# Allegro board C000PD020-3399PRO-DMEB-A-A01.brd (continued)
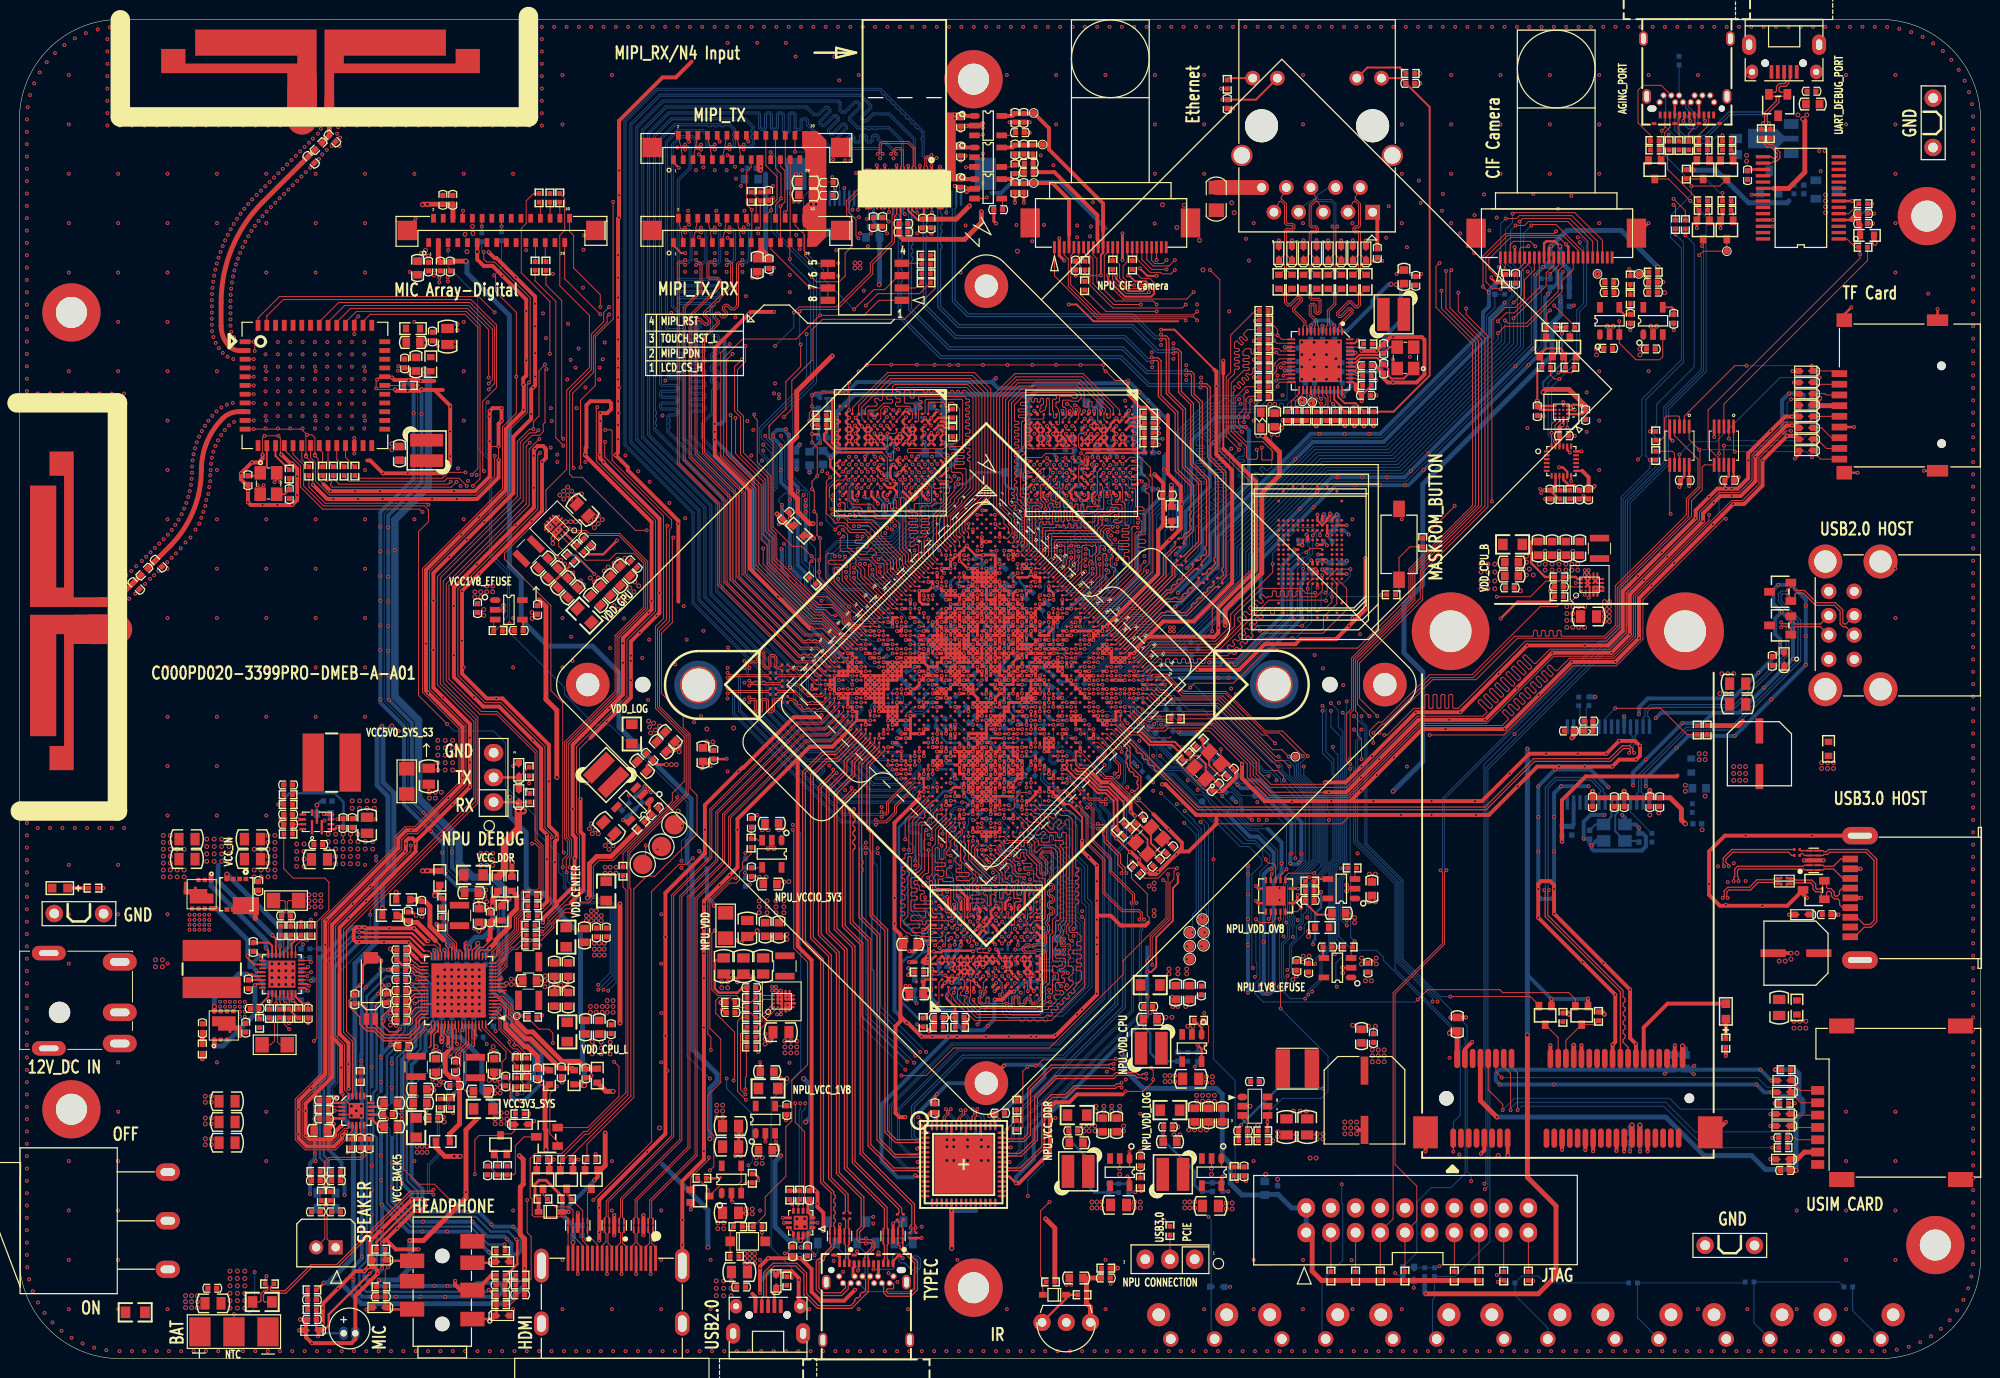
[diagram p0: board, top side]
## Routing (per net, layer and track width the routed paths; a pad name or vN(x,y) marks a point on that pad's centre or on a via; arc(x,y) is an arc through that point) (continued)
N81282514: length 3
  TOP w0.203: U2003.23 26.01,42.48 25.69,42.8 C2026.1
N81282520: length 11.3
  TOP w0.203: U2003.24 25.61,41.99 v1(25.37,42.23)
  TOP w0.508: Q2002.1 v2(19.72,49.85)
  BOTTOM w0.508: v1(25.37,42.23) 25.37,42.99 19.72,48.64 v2(19.72,49.85)
N81282560: length 4.2
  TOP w0.203: R2028.1 28.91,43.58 v1(28.47,43.14) 28.01,42.67 U2003.18
  BOTTOM w0.152: v1(28.47,43.14) 28.47,44.26 28.23,44.5 R2025.1
N81282572: length 1.5
  TOP w0.203: v1(29.69,37.86) 29.39,38.16 U2003.9
  BOTTOM w0.254: v1(29.69,37.86) 29.63,37.8 C2035.1
N81282576: length 3
  TOP w0.203: U2003.8 28.41,37.26 29.13,36.54 v1(29.69,36.54) R2043.1 C2036.1
  BOTTOM w0.203: R2043.1 v1(29.69,36.54)
N81282584: length 1.9
  TOP w0.203: v1(29.79,38.36) 29.6,38.56 U2003.10
  BOTTOM w0.102: v1(29.79,38.36) 29.55,38.36 R2031.1
N81282606: length 1.5
  TOP w0.203: C2022.2 23.55,38.96 U2003.30
N81282608: length 1.5
  TOP w0.203: C2026.2 24.3,41.9 25.01,41.2 U2003.25
N81282710: length 2.5
  TOP w0.102: v1(30,40.8) 29.84,40.96 U2003.16
  BOTTOM w0.102: C2048.1 R2045.1 30,41.17 v1(30,40.8)
N81282714: length 1
  BOTTOM w0.102: R2045.2 C2047.1
N81301243: length 1
  TOP w0.102: U2003.11 29.91,38.96 v1(30,38.87)
N81405613: length 1.2
  TOP w0.102: C2256.1 78.94,25.98 U2207.4
N81406757: length 1.1
  TOP w0.102: U2208.4 76.38,50.5 C2248.1
N81410237: length 3.4
  TOP w0.254: U2206.D4 U2206.D3 U2206.E3 ; U2206.D4 78.84,37.83 ; U2206.D4 U2206.E4 ; U2206.E4 79.24,37.82 ; U2206.E4 79.67,37.36 ; U2206.E4 U2206.E3 ; U2206.E3 79.7,36.96
N81410281: length 2.2
  TOP w0.102: U2206.A3 76.59,36.96 R2255.2
N81410283: length 2.8
  TOP w0.102: R2253.2 76.43,34.77 76.43,34.95 U2206.A1
N81410285: length 4.1
  TOP w0.102: U2206.B1 76.73,34.86 76.73,34.4 76.23,33.89 76.23,33.39 75.92,33.08 R2254.2
N81411259: length 8.9
  TOP w0.102: v1(58.34,59.19) 59.63,60.48 L2208.2
  S1 w0.102: v1(62.71,57.97) 62.71,57.98 61.49,59.19 v1(58.34,59.19)
  BOTTOM w0.102: v1(62.71,57.97) R2270.1 C2271.1
N81411272: length 3.5
  TOP w0.305: U2209.5 62.19,55.35 v1(62.1,55.43)
  BOTTOM w0.305: 64.07,57.23 R2270.2 C2271.2 62.46,55.79 v1(62.1,55.43)
N81415088: length 2.6
  TOP w0.305: R2272.2 C2277.1 64.82,56.26 U2209.1
N81416715: length 10.5
  TOP w0.102: R9720.1 172.81,119.18 169.6,122.39 169.6,123.81 169.29,124.12 169.29,126.15 169.83,126.69 J9702.A10
N81416724: length 12.8
  TOP w0.102: v1(168.99,126.35) 169.33,126.69 J9702.A11 ; v1(175.24,119.95) R9721.1
  BOTTOM w0.102: v1(168.99,126.35) 168.99,124.12 171.73,121.37 173.56,121.37 174.98,119.95 v1(175.24,119.95)
N81417035: length 10.8
  TOP w0.102: R9719.1 v1(175.24,125.88)
  BOTTOM w0.102: v1(175.24,125.88) 174.72,125.88 173.86,125.03 171.12,125.03 169.39,126.76 169.39,129.77 J9702.B2
N81417038: length 9.8
  TOP w0.102: J9702.B3 168.94,131.02 167.06,131.02 166.55,130.52 166.55,127.16 167.83,125.88 R9718.1
N81417239: length 5.7
  TOP w0.102: J9702.A3 173.33,127.49 v1(173.46,127.37) ; R9723.1 169.75,125.89 v1(169.7,125.94)
  S1 w0.102: v1(169.7,125.94) 170.51,126.76 172.85,126.76 v1(173.46,127.37)
N81417242: length 3.1
  TOP w0.102: J9702.A2 173.83,126.93 172.81,125.9 R9724.1
N81434876: length 4
  TOP w0.102: R9729.2 J9710.5
N81434950: length 4
  TOP w0.102: R9728.2 J9710.3
N81434997: length 4
  TOP w0.102: R9732.2 J9710.13
N81435084: length 4
  TOP w0.102: R9733.2 J9710.15
N81435110: length 4
  TOP w0.102: R9734.2 J9710.17
N81435142: length 4
  TOP w0.102: R9735.2 J9710.19
N81648017: length 7.8
  TOP w0.102: R2630.2 70.98,17.36 Q2600.3 72.1,17.84 73.89,17.84 74.26,18.22 U2606.4
N81930416: length 14.1
  TOP w0.102: U1000.K40 114.33,64.17 115.24,64.17
  TOP w0.203: 115.24,64.17 116.26,63.16 118.59,63.16 119.7,62.05 R1101.1 120.41,61.62 120.83,62.04 121.23,62.04 122.07,61.2 Y1100.1 122.84,59.64 C1102.1
N81930422: length 10.1
  TOP w0.102: U1000.J39 113.28,65.67 113.59,65.36 113.59,65.21 114.33,64.48 115.44,64.48
  TOP w0.203: R1102.2 R1101.2 120.1,62.25 118.9,63.46 116.46,63.46 115.44,64.48
N81930426: length 5.2
  TOP w0.203: R1102.1 121.76,63.07 Y1100.3 122.43,61.05 123.48,59.99 C1103.2
N81931618: length 208.8
  TOP w0.102: U1000.L36 v1(111.44,66.59) ; v1(56.01,52.08) 55.91,52.18 55.91,67.52 54.69,68.74 54.69,77.48 49.91,82.26 49.91,82.87 54.18,87.13 54.18,89.37 56.31,91.5 56.31,99.63 58.65,101.97 58.65,107.35 55.6,110.4 55.6,115.58 56.11,116.09 56.11,119.38 R1225.1
  S1 w0.102: v1(126.92,40.19) 122.05,40.19 120.93,39.08 115.04,39.08 108.03,32.07 92.18,32.07 91.06,30.95 82.63,30.95 80.9,29.22 71.45,29.22 v1(71.04,28.81) ; v1(68.12,50.51) 68.1,50.51 67.54,49.95 63.83,49.95 62.92,49.03 58.85,49.03 56.01,51.88 v1(56.01,52.08)
  BOTTOM w0.102: v1(126.92,40.19) 126.82,40.3 126.82,49.85 127.84,50.86 127.84,51.37 126.52,52.69 125.6,52.69 118.44,59.85 117.69,59.85 115.88,61.67 115.88,62.11 114.02,63.97 114.02,64.27 112.93,65.36 112.93,65.87 112.21,66.59 v1(111.44,66.59) ; v1(71.04,28.81) 68.71,31.15 68.71,49.9 68.12,50.49 v1(68.12,50.51)
N81931666: length 5.1
  TOP w0.102: v1(115.57,66.79) 115.57,66.81 115.32,67.05 U1000.F40
  BOTTOM w0.089: 115.8,66.56 v1(115.57,66.79)
  BOTTOM w0.102: 115.8,66.56 115.85,66.51 116.15,66.51 117.12,65.54 117.12,64.6 C1101.1 117.67,63.57 R1100.1
N81933318: length 19.7
  TOP w0.102: R1122.1 114.62,50.98 v1(114.43,51.17)
  TOP w0.203: U1000.AC32 v1(103.17,62.92)
  S1 w0.089: v1(103.17,62.92) U1000.AC32 104.22,62.33 104.59,62.33 104.59,62.33 104.83,62.33 106.88,60.28 108.16,60.28 108.84,59.6
  S1 w0.102: 108.84,59.6 109.14,59.29 109.14,55.13 113.11,51.17 v1(114.43,51.17)
N81965096: length 0.5
  TOP w0.305: U1000.AH18 v1(94.44,67.05)
N81965098: length 1
  TOP w0.305: U1000.AD19 v1(96.73,68.43)
  BOTTOM w0.089: R1402.2 96.45,68.15 v1(96.73,68.43)
N81965158: length 5.5
  TOP w0.102: v1(113.03,62.8) 111.99,63.84 U1000.N40
  BOTTOM w0.102: v1(113.03,62.8) 113.87,62.8 115.54,61.12 115.54,60.44 R1400.1
N81966162: length 3.8
  TOP w0.102: v1(113.41,62.44) 113.41,62.93 113.13,63.21 112.98,63.21 111.89,64.3 U1000.N39
  BOTTOM w0.102: R1401.1 113.91,61.95 v1(113.41,62.44)
N81966552: length 1.1
  TOP w0.305: U1000.AE21 v1(97.65,66.59)
  BOTTOM w0.254: R1403.1 97.37,66.88 v1(97.65,66.59)
N81967141: length 1
  TOP w0.305: U1000.AD34 v1(104.09,61.08)
  BOTTOM w0.254: v1(104.09,61.08) 103.85,60.84 R1418.1
N81967495: length 2.2
  TOP w0.305: U1000.AC35 v1(105.01,61.08)
  BOTTOM w0.102: TP1407.1 106.2,60.41 105.53,61.08 v1(105.01,61.08)
N81967515: length 1.2
  TOP w0.305: U1000.AC34 v1(104.55,61.54)
  BOTTOM w0.089: R1410.1 104.73,61.72 v1(104.55,61.54)
N81969657: length 1.1
  TOP w0.305: U1000.AB12 v1(94.44,72.57)
  BOTTOM w0.254: R1708.1 94.2,72.33 v1(94.44,72.57) 94.44,72.56 C1700.1
N81970360: length 1.8
  TOP w0.305: U1000.AF14 v1(93.52,69.81)
  BOTTOM w0.102: R1703.1 92.77,69.06 v1(93.52,69.81)
N81970900: length 1.6
  TOP w0.305: U1000.AB14 v1(95.36,71.65)
  BOTTOM w0.254: v1(95.36,71.65) 95.11,71.41 R1709.1 95.33,71.38 C1701.1
N81971328: length 1.5
  TOP w0.305: U1000.AF11 v1(92.14,71.19)
  BOTTOM w0.203: R1704.1 91.63,70.69 v1(92.14,71.19)
N81971617: length 1.8
  TOP w0.305: U1000.AC10 v1(93.52,72.57)
  BOTTOM w0.254: R1710.1 93.29,71.77 93.29,72.38 C1702.1 93.44,72.49 v1(93.52,72.57)
N81973381: length 7.6
  TOP w0.102: U1000.AH1 86.6,75.35 85.88,75.35 85.27,75.96 85.27,76.68 82.25,79.7 R1504.1
N82061596: length 0.7
  TOP w0.203: U1000.AE26 v1(100.41,64.76)
  BOTTOM w0.203: v1(100.41,64.76) 100.3,64.65 TP9712.1
N82061606: length 1.2
  TOP w0.305: U1000.AU17 v1(89.84,63.38)
  BOTTOM w0.203: TP9713.1 90.06,63.16 v1(89.84,63.38)
N82075141: length 1.2
  TOP w0.102: C4823.1 101.16,119.28 U4801.4
N82075145: length 1.5
  TOP w0.102: U4800.4 102.22,125.87 C4820.1
N82103313: length 1.5
  TOP w0.102: U4817.4 102.22,122.62 C4846.1

## Copper pours and planes (outline as drawn; the poured copper is in the pictures)
AVDD0V9_DDR1PLL on POWER2: 102.44,79.21 102.44,78.8 102.54,78.7 103.05,78.7 104.47,80.12 104.47,80.33 104.37,80.43 103.66,80.43
GND on TOP (solid shape): 9.09,73.54 5.59,73.54 5.59,60.54 3.09,60.54 3.09,63.04 4.59,63.04 4.59,74.54 3.79,74.54 3.79,64.04 1.09,64.04 1.09,76.54 9.09,76.54
GND on TOP (solid shape): 30.58,128.77 27.58,128.77 27.58,132.27 14.58,132.27 14.58,134.77 17.08,134.77 17.08,133.27 28.58,133.27 28.58,134.07 18.08,134.07 18.08,136.77 30.58,136.77
GND on BOTTOM: 10.3,0.51 3.38,3.38 0.51,10.3 0.51,127.5 3.38,134.43 10.3,137.29 191.5,137.29 198.42,134.43 201.29,127.5 201.29,10.3 198.42,3.38 191.5,0.51 ; 40 cut-outs
GND on GND1, GND2, GND3: 10.3,0.51 3.38,3.38 0.51,10.3 0.51,127.5 3.38,134.43 10.3,137.29 191.5,137.29 198.42,134.43 201.29,127.5 201.29,10.3 198.42,3.38 191.5,0.51
GND on POWER1: 10.3,0.51 3.38,3.38 0.51,10.3 0.51,127.5 3.38,134.43 10.3,137.29 191.5,137.29 198.42,134.43 201.29,127.5 201.29,10.3 198.42,3.38 191.5,0.51 ; 12 cut-outs
GND on POWER2: 10.3,0.53 3.39,3.39 0.53,10.3 0.53,127.5 3.39,134.41 10.3,137.27 191.5,137.27 198.41,134.41 201.27,127.5 201.27,10.3 198.41,3.39 191.5,0.53 ; 9 cut-outs
VBUS_TYPEC0 on TOP: 72.67,17.54 72.67,15.91 72.87,15.71 72.87,13.17 72.36,12.66 71.15,12.66 70.84,12.96 70.84,15.61 71.96,16.72 71.96,17.44 72.16,17.64 72.57,17.64
VBUS_TYPEC0 on TOP: 75.82,6.26 75.92,6.36 75.92,11.03 75.72,11.24 73.89,11.24 73.79,11.14 73.79,10.22 74.4,9.61 74.4,6.77 74.9,6.26
VBUS_TYPEC0 on POWER1: 88.62,7.99 80.09,7.99 78.77,9.31 74.4,9.31 71.45,12.25 71.45,14.49 71.76,14.79 72.97,14.79 75.01,12.76 80.7,12.76 81.61,13.68 81.61,14.29 81.71,14.39 82.73,14.39 84.35,12.76 86.79,12.76 88.82,10.73 88.82,8.19
VBUS_TYPEC_TEST on BOTTOM: 183.31,124.42 183.31,122.69 182.8,122.18 180.87,122.18 180.37,121.68 179.76,121.68 179.71,121.73 176.15,121.73 175.49,122.39 175.49,124.01 175.9,124.42 181.18,124.42 181.38,124.62 183.11,124.62
VBUS_TYPEC_TEST on POWER1: 178.33,124.62 178.33,123.1 178.03,122.79 173.76,122.79 169.7,126.86 169.7,129.5 169.9,129.7 170.51,129.7 170.71,129.5 170.71,129.09 170.92,128.89 172.34,128.89 172.54,129.09 172.54,129.5 172.75,129.7 173.15,129.7 173.56,129.3 173.56,128.28 177.01,124.83 178.13,124.83
VCC1V5_DVP_S0 on S1: 87.3,38.67 87.3,36.84 87.4,36.74 106.5,36.74 113.21,43.44 118.39,43.44 119.81,44.87 122.96,44.87 123.47,45.38 123.47,46.9 123.27,47.1 119.41,47.1 117.27,44.97 113.21,44.97 107.21,38.97 87.6,38.97
VCC1V8_DDR on BOTTOM: 95.12,96.99 95.43,96.99 95.73,96.68 95.73,93.84 95.63,93.74 95.22,93.74 94.92,94.04 94.92,96.78
VCC1V8_DVP on TOP: 167.77,107.55 167.97,107.76 167.97,112.02 167.87,112.13 166.34,112.13 166.24,112.02 166.24,107.66 166.34,107.55
VCC1V8_EFUSE on TOP: 53.57,78.8 51.33,78.8 51.13,78.6 51.13,77.79 51.74,77.18 53.67,77.18 53.77,77.28 53.77,78.6
VCC1V8_EFUSE on GND2: 103.35,69.96 103.56,70.17 103.76,70.17 104.06,69.86 104.06,68.54 104.17,68.44 104.17,66.41 101.63,63.87 97.97,63.87 97.76,64.07 97.76,65.19 97.97,65.39 101.22,65.39 103.35,67.52
VCC1V8_EFUSE on S1: 93.19,64.07 93.19,61.94 90.14,58.89 89.54,58.89 89.33,59.09 89.33,61.02 90.75,62.44 91.06,62.44 92.68,64.07
VCC2V8_DVP on TOP: 161.87,107.76 162.08,107.55 163.2,107.55 163.5,107.86 163.5,111.92 163.4,112.02 162.69,112.02 162.48,112.23 162.28,112.23 161.87,111.82
VCC2V8_DVP on TOP: 88.57,119.39 88.57,119.24 88.52,119.19 88.52,118.22 88.01,117.71 87.6,117.71 87.6,117.21 87.66,117.16 88.98,117.16 89.03,117.21 89.03,117.46 89.18,117.46 89.18,119.39
VCC3V3_HUB_S3 on TOP: 171.83,58.08 171.83,60.51 165.94,66.41 164.21,66.41 163.4,67.22 163.4,67.93 162.99,68.34 162.08,68.34 161.67,67.93 161.67,64.48 161.98,64.17 166.14,64.17 170.51,59.8 170.51,58.28 170.82,57.97 171.73,57.97
VCC3V3_HUB_S3 on BOTTOM: 171.22,60.62 172.44,60.62 172.54,60.51 172.54,56.86 172.44,56.75 171.53,56.75 171.12,57.16 171.12,60.51
VCC3V3_PCIE_S0 on TOP: 132.21,32.27 132.21,27.9 132.72,27.39 140.03,27.39 140.34,27.7 140.34,29.22 140.94,29.83 140.94,32.47 140.64,32.78 132.72,32.78
VCC3V3_PCIE_S0 on S1: 138.91,32.07 138.91,29.53 139.93,28.51 159.94,28.51 164.72,23.73 171.42,23.73 176.61,28.92 176.61,32.27 175.9,32.98 166.24,32.98 163.2,36.03 151.92,36.03 149.89,34 142.57,34 141.15,32.57 139.42,32.57
VCC3V3_SYS_P on TOP: 47.93,29.35 46,29.35 45.86,29.21 45.86,28.83 45.85,28.81 45.85,27.29 45.69,27.14 45.69,25.18 45.9,24.98 47.12,24.98 47.22,25.08 47.22,27.72 47.93,28.43
VCC3V3_SYS_S3 on TOP (solid shape): 97.21,128.13 97.21,127.42 96.34,127.42 96.34,125.23 96.65,124.93 97.1,124.93 97.1,124.42 97.05,124.37 96.44,124.37 96.34,124.27 96.34,121.93 96.55,121.73 97.16,121.73 97.16,121.12 95.73,121.12 95.28,121.58 95.28,128.18 95.33,128.23 97.1,128.23
VCC3V3_SYS_S3 on TOP: 162.99,105.83 162.99,104.71 163.3,104.4 163.3,103.19 163.09,102.98 162.08,102.98 161.87,103.19 161.87,105.83 162.08,106.03 162.79,106.03
VCC3V3_SYS_S3 on TOP: 167.46,105.83 167.46,104.71 167.77,104.4 167.77,103.19 167.56,102.98 166.55,102.98 166.34,103.19 166.34,105.83 166.55,106.03 167.26,106.03
VCC3V3_SYS_S3 on TOP: 40.87,105.32 43,105.32 43.21,105.52 45.34,105.52 45.44,105.62 45.44,106.84 45.24,107.05 41.28,107.05 40.87,106.64
VCC3V3_SYS_S3 on TOP: 49.4,77.68 48.29,77.68 47.98,77.38 46.76,77.38 46.56,77.58 46.56,78.6 46.76,78.8 49.4,78.8 49.61,78.6 49.61,77.89
VCC3V3_SYS_S3 on TOP: 50.37,26.5 48.44,26.5 48.23,26.3 48.23,23.66 48.34,23.56 50.06,23.56 50.47,23.96 50.47,26.4
VCC3V3_SYS_S3 on TOP: 136.58,39.58 137.69,39.58 138,39.89 139.22,39.89 139.42,39.69 139.42,38.67 139.22,38.47 136.58,38.47 136.37,38.67 136.37,39.38
VCC3V3_SYS_S3 on BOTTOM: 171.53,61.33 173.86,61.33 174.07,61.53 174.07,62.85 173.86,63.05 171.63,63.05 171.42,62.85 171.42,61.43
VCC3V3_SYS_S3 on BOTTOM: 48.69,25.56 48.69,20.28 49.4,19.57 66.37,19.57 67.79,20.99 67.79,55.13 68.3,55.64 68.3,56.55 67.79,57.06 66.98,57.06 51.74,72.3 50.32,72.3 48.49,74.13 48.49,77.28 49,77.79 49,80.53 48.79,80.73 44.83,80.73 44.12,80.02 44.12,73.01 48.79,68.34 50.22,68.34 54.08,64.48 54.08,59.7 64.95,48.83 64.95,28.2 64.85,28.1 64.74,28.1 64.64,28.2 64.64,48.63 63.63,49.64 60.27,49.64 59.56,50.35 59.56,53.71 53.67,59.6 53.67,64.37 49.91,68.13 48.69,68.13 43.82,73.01 43.82,80.22 47.57,83.98 47.57,91.91 46.36,93.13 46.36,106.44 45.75,107.05 43.1,107.05 42.7,106.64 42.7,86.12 39.85,83.27 39.85,71.79 46.86,64.78 49.3,64.78 50.22,63.87 50.22,58.99 57.02,52.18 57.02,50.15 59.56,47.61 60.68,47.61 61.6,46.7 61.6,25.87 59.87,24.14 52.35,24.14 50.62,25.87 49,25.87
VCC3V3_SYS_S3 on POWER1: 118.69,83.78 118.69,100.14 114.53,104.3 68.81,104.3 64.54,100.04 64.54,87.95 64.44,87.84 64.44,85.71 55.8,77.07 47.57,77.07 46.56,78.09 46.56,79.11 54.48,87.03 57.12,87.03 58.65,88.56 58.65,102.78 65.05,109.18 101.32,109.18 104.06,111.92 162.38,111.92 177.06,97.24 177.06,91.15 177.11,91.1 177.11,89.16 177.01,89.06 177.01,47.41 165.84,36.23 139.83,36.23 137.9,38.16 137.9,39.58 139.83,41.51 164.82,41.51 171.93,48.63 171.93,87.23 169.19,89.98 169.19,95.06 162.18,102.07 144.6,102.07 138.91,107.76 123.88,107.76 122.86,106.74 122.86,86.62 124.99,84.49 133.53,84.49 134.85,83.17 134.85,82.15 134.54,81.85 133.43,81.85 133.22,82.05 133.22,82.26 133.02,82.46 120.02,82.46
VCC3V3_SYS_S3 on S1: 91.26,64.48 91.26,65.29 94.41,68.44 95.83,68.44 96.65,69.25 96.65,69.56 97.16,70.06 97.97,70.06 98.58,69.45 100,69.45 101.63,67.83 101.63,67.52 101.32,67.22 95.83,67.22 92.99,64.37 91.36,64.37
VCC5V0_FT232 on TOP: 182.6,133.16 182.6,127.77 183.11,127.26 183.92,127.26 184.23,127.57 184.23,132.24 183.21,133.26 182.7,133.26
VCC5V0_FT232 on BOTTOM: 181.89,126.35 184.33,126.35 184.53,126.55 184.53,128.08 184.33,128.28 182.4,128.28 181.69,127.57 181.69,126.55
VCC5V0_HOST0 on TOP: 180.26,36.43 185.45,36.43 186.66,37.65 186.66,43.55 187.17,44.05 189.1,44.05 189.41,44.36 189.41,44.66 189.2,44.87 186.36,44.87 185.85,45.38 185.85,46.19 185.65,46.39 183.92,46.39 183.62,46.09 183.62,41.82 181.18,39.38 180.47,39.38 180.16,39.08 180.16,36.54
VCC5V0_HUB_HOST on TOP: 177.11,71.18 177.11,63.76 178.44,62.44 184.84,62.44 185.45,63.05 186.77,63.05 186.97,63.26 186.97,64.78 186.46,65.29 185.95,65.29 183.72,67.52 183.72,69.56 185.04,70.88 189.1,70.88 189.61,71.38 189.61,72.71 189.31,73.01 183.21,73.01 181.89,71.69 177.62,71.69
VCC5V0_SYS_S3 on TOP (solid shape): 83.03,125.39 83.03,115.43 82.02,114.41 81.1,114.41 81.1,116.09 80.59,116.6 80.59,118.43 81.25,119.09 81.25,121.88 80.85,122.29 80.85,124.27 80.54,124.57 80.54,126.3 82.12,126.3
VCC5V0_SYS_S3 on TOP: 72.87,25.06 72.87,18.45 72.57,18.15 71.76,18.15 71.45,18.45 71.45,22.82 70.94,23.33 70.94,26.27 71.15,26.48 72.97,26.48 73.08,26.38 73.08,25.26
VCC5V0_SYS_S3 on TOP: 78.05,52.89 78.05,54.01 77.75,54.32 77.75,55.54 77.95,55.74 78.97,55.74 79.17,55.54 79.17,52.89 78.97,52.69 78.26,52.69
VCC5V0_SYS_S3 on TOP: 51.99,39.41 50.57,39.41 49.76,38.59 49.25,38.59 49.25,38.19 51.89,38.19 52.2,38.49 52.2,39.2
VCC5V0_SYS_S3 on TOP: 49.25,30.47 48.34,30.47 48.23,30.57 48.23,32.5 47.22,33.51 47.22,33.92 47.42,33.92 49.35,31.99 49.35,30.57
VCC5V0_SYS_S3 on TOP: 43.15,33.72 43.15,32.7 43.46,32.4 43.46,30.57 43.36,30.47 42.44,30.47 42.34,30.57 42.34,31.68 42.65,31.99 42.65,33.31 43.05,33.72
VCC5V0_SYS_S3 on TOP: 79.48,36.64 79.48,36.03 79.38,35.93 78.87,35.93 78.66,35.72 78.66,33.08 78.26,32.68 78.26,31.46 78.56,31.15 80.39,31.15 80.59,31.35 80.59,36.54 80.49,36.64
VCC5V0_SYS_S3 on TOP: 55.4,90.18 57.84,90.18 58.24,89.77 58.24,88.05 56.52,86.32 55.7,86.32 55.3,86.73 55.19,86.73 54.69,86.22 54.28,86.62 54.28,89.06
VCC5V0_SYS_S3 on TOP: 122.15,18.15 122.15,16.62 122.35,16.42 122.35,15.2 122.25,15.1 119.71,15.1 119.51,15.3 119.51,16.62 119.91,17.03 121.03,17.03 121.23,17.23 121.23,18.15 121.34,18.25 122.05,18.25
VCC5V0_SYS_S3 on TOP: 161.87,78.6 162.59,78.6 162.89,78.9 162.89,79.51 163.91,79.51 164.11,79.31 164.11,75.65 163.8,75.35 162.08,75.35 161.77,75.65 161.77,78.5
VCC5V0_SYS_S3 on TOP: 44.96,60.31 45.21,60.56 45.21,63.74 44.96,63.99 39.47,63.99 38.84,63.36 38.84,60.72 39.24,60.31
VCC5V0_SYS_S3 on TOP: 61.7,57.36 62,57.06 62,56.86 61.29,56.14 61.29,55.74 59.97,54.42 59.97,53.91 59.77,53.71 58.65,53.71 58.14,54.21 58.14,56.04 58.55,56.45 60.38,56.45 61.29,57.36
VCC5V0_SYS_S3 on TOP: 47.83,45.3 46.91,45.3 46.51,44.89 46.51,43.67 45.69,42.86 45.69,42.05 45.8,42.05 45.9,42.15 45.9,42.05 46.61,42.76 46.81,42.76 47.93,43.88 47.93,45.2
VCC5V0_SYS_S3 on TOP: 40.56,112.43 42.49,112.43 42.6,112.53 42.6,116.29 43,116.7 43,117.82 42.6,118.22 41.48,118.22 41.28,118.02 41.28,114.87 40.46,114.06 40.46,112.53
VCC5V0_SYS_S3 on TOP: 112.6,18.15 112.6,16.62 112.8,16.42 112.8,15.2 112.7,15.1 110.16,15.1 109.96,15.3 109.96,16.62 110.36,17.03 111.48,17.03 111.68,17.23 111.68,18.15 111.79,18.25 112.5,18.25
VCC5V0_SYS_S3 on TOP: 120.12,31.15 120.12,29.63 120.32,29.42 120.32,28.2 120.22,28.1 117.68,28.1 117.48,28.31 117.48,29.63 117.88,30.03 119,30.03 119.2,30.24 119.2,31.15 119.3,31.25 120.02,31.25
VCC5V0_SYS_S3 on BOTTOM: 80.19,53.4 80.19,31.15 79.98,30.95 73.28,30.95 71.45,32.78 71.45,55.13 72.67,56.35 77.85,56.35 79.17,55.03 79.17,54.42
VCC5V0_SYS_S3 on BOTTOM: 72.87,24.04 72.87,20.69 72.77,20.58 71.76,20.58 71.45,20.89 71.45,26.27 71.65,26.48 72.97,26.48 73.08,26.38 73.08,24.24
VCC5V0_SYS_S3 on BOTTOM: 82.93,116.09 82.93,115.28 84.96,113.24 84.96,111.62 85.42,111.16 86.64,111.16 87.1,111.62 87.1,114.16 83.64,117.61 83.64,120.1 83.44,120.31 82.27,120.31 81.15,119.19 81.15,118.68 82.32,117.51 82.32,116.7
VCC5V0_SYS_S3 on POWER1: 45.54,51.57 47.07,50.05 52.45,50.05 56.11,46.39 56.11,31.96 58.34,29.73 73.58,29.73 78.05,34.2 90.04,34.2 102.64,21.6 118.29,21.6 119.81,23.12 119.81,24.34 120.22,24.75 122.86,24.75 123.47,25.36 123.47,27.39 123.27,27.6 120.93,27.6 120.32,28.2 117.98,28.2 117.58,28.61 117.58,35.01 121.34,38.77 121.34,50.86 129.57,59.09 143.18,59.09 153.44,69.35 153.44,75.45 156.49,78.5 164.01,78.5 164.52,77.99 164.52,68.13 144.3,47.92 138.2,47.92 131.9,41.62 131.9,33.08 129.57,30.74 129.57,16.52 126.01,12.96 97.36,12.96 89.74,20.58 45.75,20.58 42.19,24.14 42.19,34 43,34.81 47.27,34.81 47.98,35.52 47.98,42.84 47.57,43.24 43.51,43.24 43.1,42.84 43.1,42.02 42.9,41.82 41.48,41.82 39.14,44.16 39.14,44.26 38.74,44.66 38.74,83.58 47.68,92.52 47.68,108.57 43.82,112.43 41.88,112.43 40.87,113.45 40.87,115.17 44.73,119.04 88.72,119.04 88.72,113.24 87.5,112.02 58.95,112.02 55.91,108.98 55.91,91.81 58.24,89.47 58.24,88.76 56.92,87.44 54.58,87.44 46.36,79.21 46.36,70.57 45.54,69.76
VCC5V0_SYS_S3 on S1: 42.7,64.07 44.83,64.07 51.44,57.47 58.24,57.47 60.68,55.03 60.68,54.21 59.77,53.3 56.62,53.3 55.4,54.52 54.38,54.52 54.08,54.21 45.24,54.21 41.78,57.67 41.78,63.16
VCC5V0_USB2.0_S0 on TOP: 185.24,62.34 187.07,62.34 187.48,61.94 187.48,59.9 187.27,59.7 185.24,59.7 184.94,60.01 184.94,62.04
VCC5V0_USB2.0_S0 on TOP: 182.19,35.72 182.19,33.49 182.4,33.28 184.12,33.28 184.53,33.69 184.53,35.72 184.43,35.82 182.3,35.82
VCC5V0_USB2.0_S0 on POWER2: 36.09,10.22 32.18,14.13 32.18,25.77 39.85,33.44 44.07,33.44 44.93,32.57 44.93,27.24 40.11,22.41 40.11,19.47 41.94,17.64 146.94,17.64 158.01,28.71 165.23,28.71 175.79,39.28 179.45,39.28 182.6,42.43 182.6,60.51 184.63,62.55 187.38,62.55 188.75,61.17 188.75,37.7 174.42,23.38 174.52,23.38 161.37,10.22
VCC12V_DCIN on BOTTOM: 187.99,120.76 187.99,117.82 187.68,117.51 185.95,117.51 185.55,117.92 185.55,120.36 186.06,120.86 187.88,120.86
VCC12V_DCIN on S1: 8.66,33.89 14.76,33.89 16.28,32.37 16.28,10.63 15.77,10.12 15.77,5.04 16.28,4.53 22.17,4.53 26.34,8.7 38.33,8.7 46.15,16.52 102.13,16.52 104.88,13.78 165.53,13.78 178.13,26.38 178.13,113.14 185.14,120.15 187.78,120.15 188.09,119.85 188.09,116.39 183.01,111.31 183.01,74.94 183.62,74.33 183.62,43.24 183.57,43.19 183.57,23.68 169.6,9.71 102.64,9.71 100.41,11.95 51.03,11.95 42.39,3.31 28.68,3.31 26.95,1.59 13.94,1.59 8.26,7.28 8.26,33.49
VCC_0V9_S0 on POWER2: 50.83,51.37 51.94,50.25 53.98,50.25 54.99,49.24 68.1,49.24 76.23,57.36 82.52,57.36 86.28,61.12 86.28,62.24 93.29,69.25 95.33,69.25 95.83,69.76 95.83,70.27 96.44,70.88 97.26,70.88 97.97,70.17 97.97,68.13 97.46,67.63 97.05,67.63 96.95,67.52 93.6,67.52 88.72,62.65 88.72,61.02 80.19,52.49 74.19,52.49 69.82,48.12 52.86,48.12 50.42,50.56 50.42,51.27 50.52,51.37
VCC_0V9_S0 on S1: 96.75,70.57 97.56,70.57 98.37,71.38 99.59,71.38 101.22,69.76 103.15,69.76 104.27,68.64 106.1,68.64 107.82,70.37 107.82,73.72 105.49,76.06 104.78,76.06 104.67,75.96 104.67,75.55 105.08,75.14 105.08,72.71 105.38,72.4 105.38,70.78 105.28,70.67 104.47,70.67 103.45,71.69 103.35,71.69 102.03,73.01 96.85,73.01 96.44,72.6 96.44,70.88
VCC_0V9_S3 on POWER2: 103.56,68.24 104.67,69.35 104.67,70.27 104.37,70.57 104.06,70.57 103.86,70.37 103.86,69.76 103.25,69.15 101.22,69.15 100.81,69.56 100.3,69.56 100.2,69.45 100.2,69.05 101.02,68.24
VCC_0V9_S3 on POWER2: 81.81,84.8 82.63,83.98 89.13,83.98 93.6,79.51 94.51,79.51 95.02,79 95.83,79 96.55,78.29 97.87,78.29 100.1,76.06 100.1,75.35 99.8,75.04 99.8,73.92 100.2,73.52 101.02,73.52 101.32,73.82 101.32,79.21 94.21,86.32 81.1,86.32 79.98,87.44 77.14,87.44 77.04,87.34 65.46,87.34 61.9,83.78 58.34,83.78 53.87,79.31 53.87,60.41 50.88,57.41 50.88,57.21 50.83,57.16 50.83,56.14 51.23,55.74 52.25,55.74 55.5,58.99 55.5,77.58 60.48,82.56 64.74,82.56 66.37,84.19 75.11,84.19 75.72,84.8
VCC_0V9_S3 on GND2: 104.06,70.06 104.78,70.06 106.5,71.79 106.5,72.4 106.2,72.71 105.69,72.71 105.38,72.4 103.56,72.4 103.15,72.81 102.24,72.81 100.71,74.33 100.2,74.33 100,74.13 100,73.72 102.44,71.28 102.84,71.28
VCC_0V9_S3 on S1: 98.48,71.28 98.37,71.18 98.37,70.27 99.09,69.56 99.9,69.56 100.81,68.64 101.02,68.64 101.22,68.84 101.22,69.45 99.39,71.28
VCC_1V5_S0 on GND2: 92.89,73.82 92.89,74.53 91.57,75.86 85.37,75.86 77.55,68.03 77.55,66.3 77.44,66.2 77.04,66.2 76.94,66.3 76.94,68.84 84.96,76.87 91.87,76.87 93.5,75.25 93.5,73.92 93.29,73.72 92.99,73.72
VCC_1V8_S0 on POWER1: 156.79,88.45 157,88.45 157.05,88.5 162.03,88.5 162.59,89.06 162.59,93.13 156.9,98.82 155.98,98.82 155.78,98.61 155.78,89.47
VCC_1V8_S0 on POWER1: 32.23,55.84 33.05,55.03 34.98,55.03 37.21,52.79 37.21,50.96 35.38,49.13 30.2,49.13 29.49,49.85 29.49,80.33 42.6,93.43 42.6,105.32 37.01,110.91 37.01,118.63 37.72,119.34 42.29,119.34 42.49,119.14 42.49,117.92 42.29,117.71 40.26,117.71 38.94,116.39 38.94,112.94 44.83,107.05 44.83,91.7 32.23,79.11
VCC_1V8_S0 on POWER2: 36.6,49.85 36.09,50.35 36.09,51.57 36.5,51.98 41.99,51.98 45.49,55.48 52.3,55.48 55.8,58.99 55.8,63.16 60.88,68.24 60.88,70.57 62,71.69 64.44,71.69 67.49,74.74 91.26,74.74 92.99,73.01 96.85,73.01 96.85,72.96 97.87,71.94 98.53,71.94 98.68,72.1 100.51,72.1 100.51,72.81 107.11,79.41 118.29,79.41 119.05,78.65 119.05,74.48 118.29,73.72 116.71,73.72 113.56,76.87 108.74,76.87 107.01,75.14 107.01,74.33 106.71,74.03 106.2,74.03 105.99,73.82 105.99,73.32 106.1,73.21 106.1,72.91 105.99,72.81 103.45,72.81 102.39,71.74 102.39,71.64 100.51,69.76 98.27,69.76 98.27,70.06 97.36,70.98 96.14,70.98 95.63,70.47 95.63,69.86 95.33,69.56 94.31,69.56 94.11,69.76 76.33,69.76 73.08,66.51 67.49,66.51 66.27,67.73 64.44,67.73 62.61,65.9 62.61,59.6 56.31,53.3 47.68,53.3 44.22,49.85
VCC_1V8_S0 on S1: 117.73,74.03 117.53,74.23 117.53,76.11 119.71,78.29 122.2,78.29 137.03,93.13 155.88,93.13 157.66,91.35 157.66,89.27 157.25,88.86 137.64,88.86 122.81,74.03